# KiCad board lb_mp1.kicad_pcb (continued)
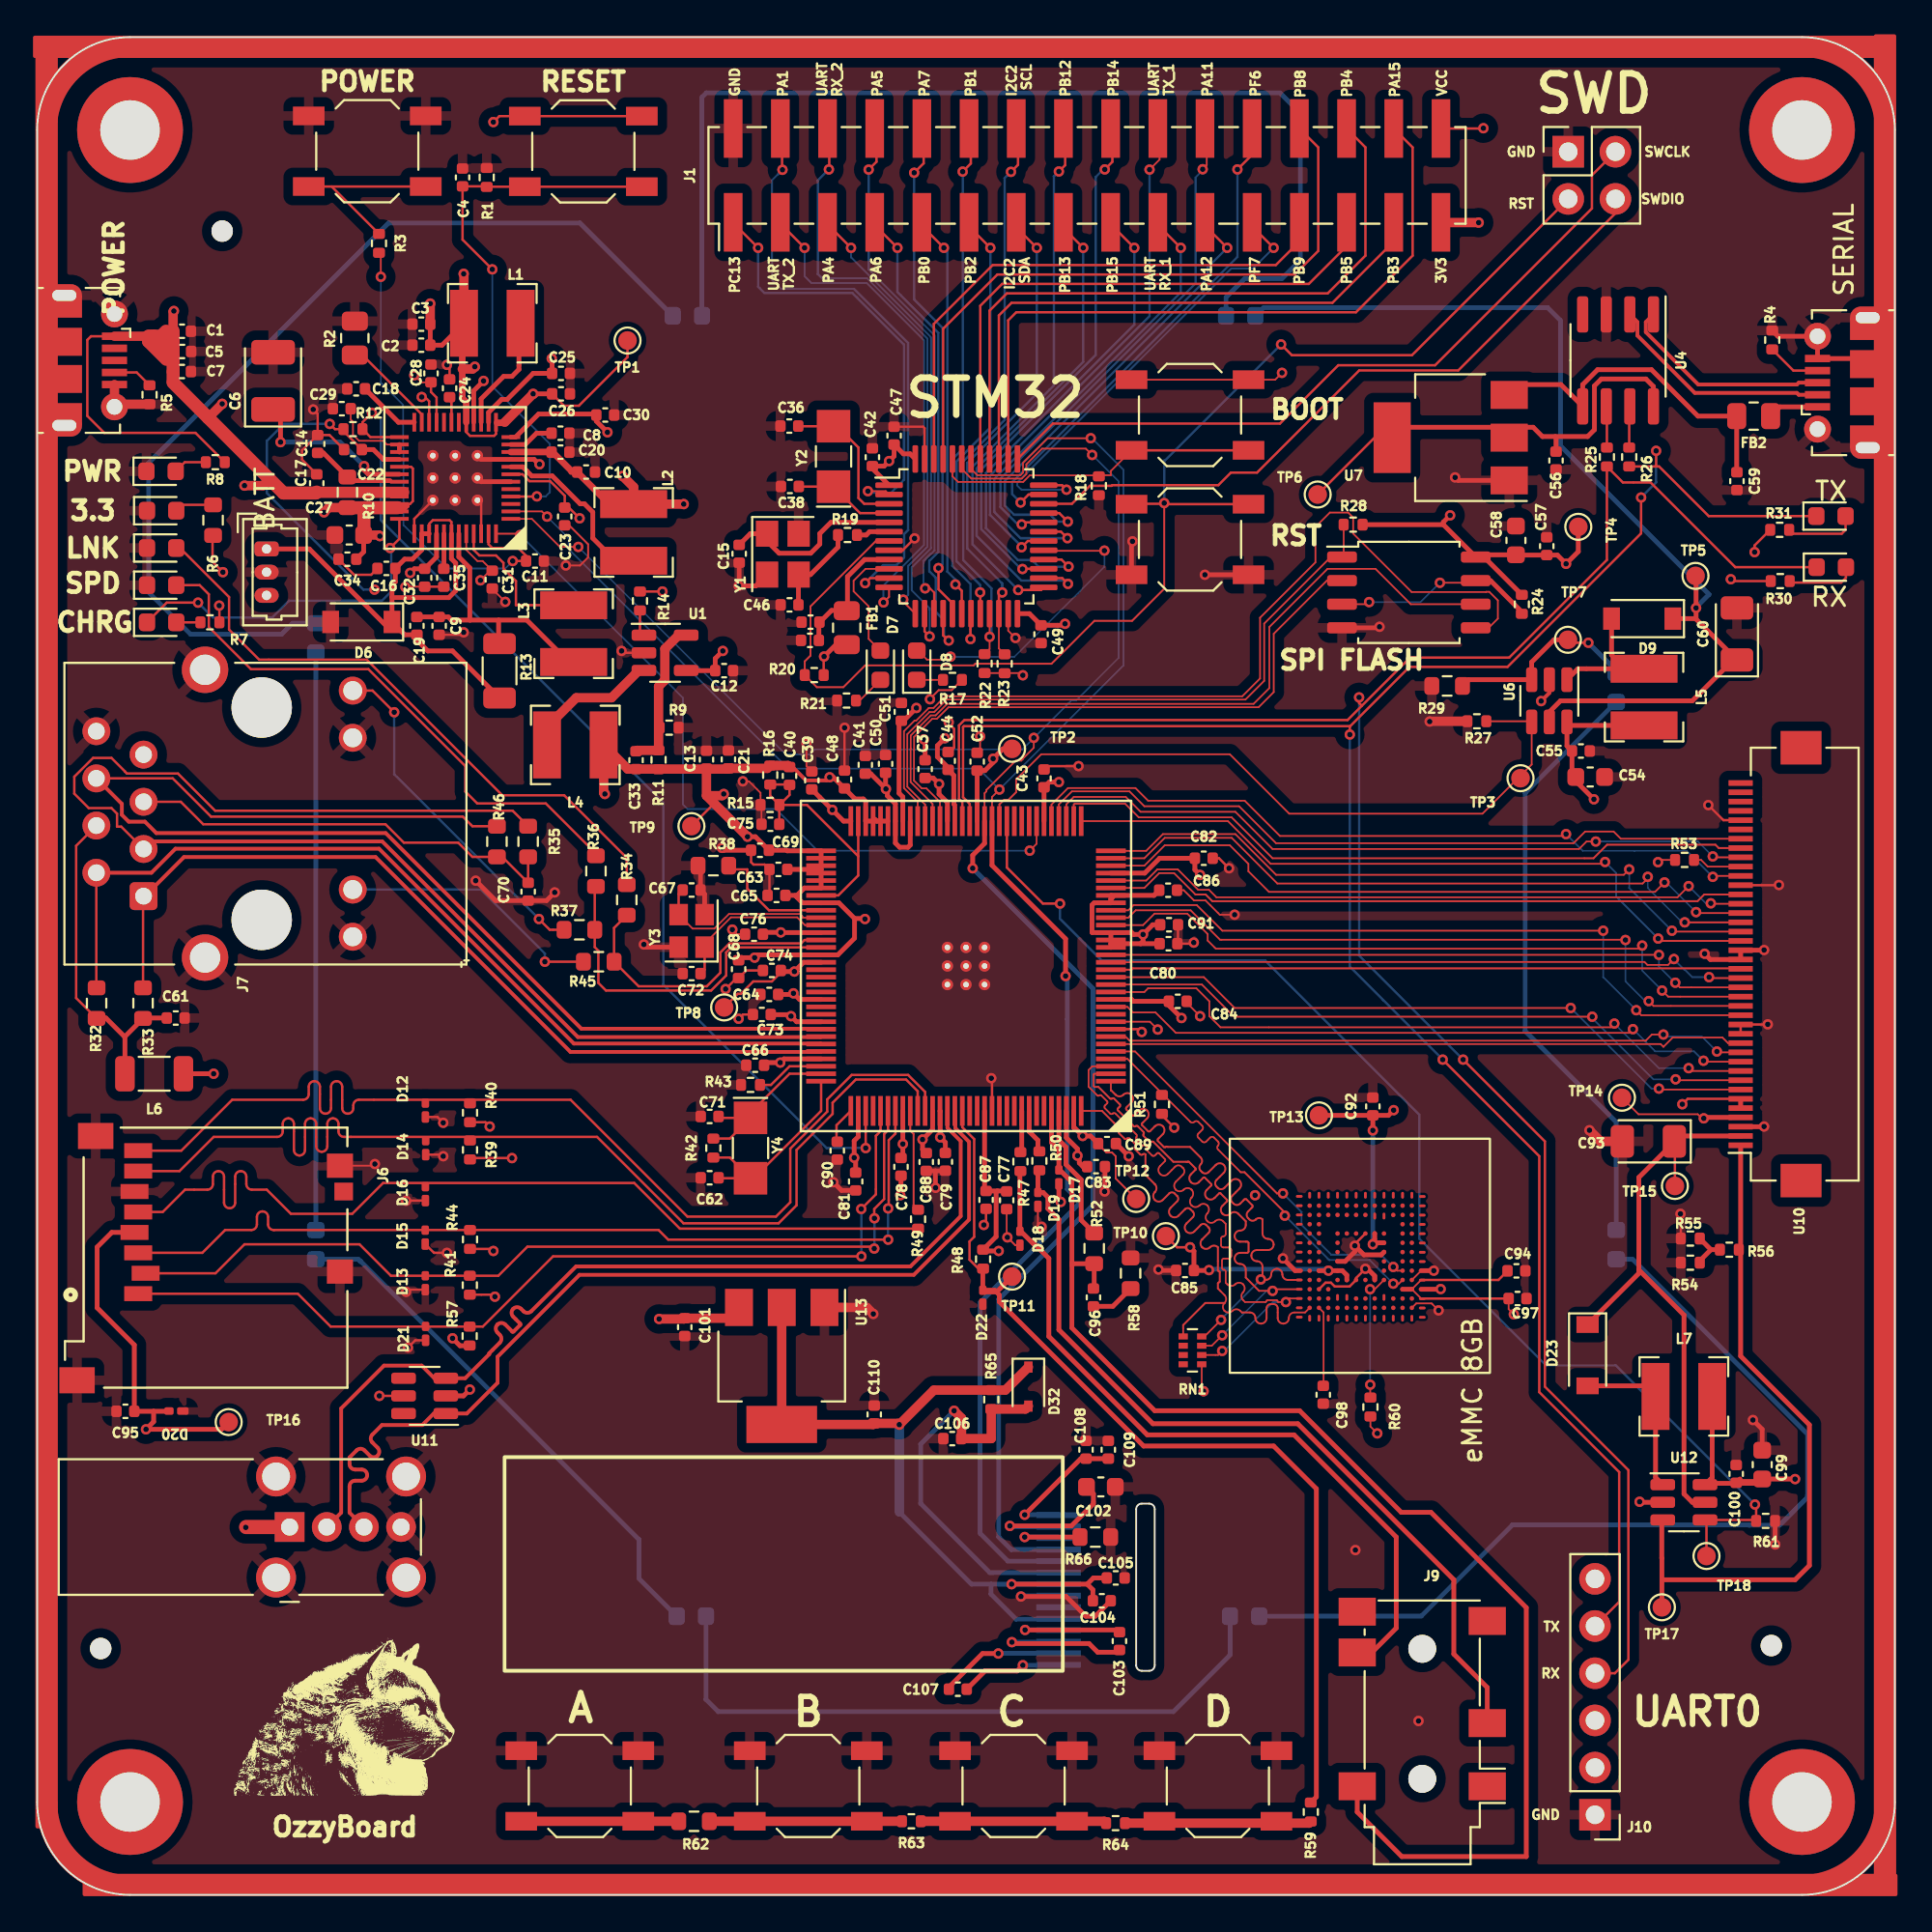
[diagram p0: board, top side]
## Footprints (pads in the part's own frame, mm; a bottom-side part is the same pattern mirrored in y, then rotated)
AXP209-QFN48
  rect 1x0.2 smd: 1(-3,2.2) 2(-3,1.8) 3(-3,1.4) 4(-3,1) 5(-3,0.6) 6(-3,0.2) 7(-3,-0.2) 8(-3,-0.6) 9(-3,-1) 10(-3,-1.4) 11(-3,-1.8) 12(-3,-2.2) 25(3,-2.2) 26(3,-1.8) 27(3,-1.4) 28(3,-1) 29(3,-0.6) 30(3,-0.2) 31(3,0.2) 32(3,0.6) 33(3,1) 34(3,1.4) 35(3,1.8) 36(3,2.2)
  rect 0.2x1 smd: 13(-2.2,-3) 14(-1.8,-3) 15(-1.4,-3) 16(-1,-3) 17(-0.6,-3) 18(-0.2,-3) 19(0.2,-3) 20(0.6,-3) 21(1,-3) 22(1.4,-3) 23(1.8,-3) 24(2.2,-3) 37(2.2,3) 38(1.8,3) 39(1.4,3) 40(1,3) 41(0.6,3) 42(0.2,3) 43(-0.2,3) 44(-0.6,3) 45(-1,3) 46(-1.4,3) 47(-1.8,3) 48(-2.2,3)
  round 0.61 hole 0.305: GND$1(-1.2,1.2) GND$2(0,1.2) GND$3(1.2,1.2) GND$4(-1.2,0) GND$5(0,0) GND$6(1.2,0) GND$7(-1.2,-1.2) GND$8(0,-1.2) GND$9(1.2,-1.2)
C_0402_1005Metric
  rrect 0.56x0.62 smd: 1(-0.48,0) 2(0.48,0)
C_0603_1608Metric
  rrect 0.9x0.95 smd: 1(-0.775,0) 2(0.775,0)
CP_EIA-3528-21_Kemet-B
  rrect 1.325x2.35 smd: 1(-1.538,0) 2(1.538,0)
Crystal_SMD_2520-4Pin_2.5x2.0mm
  rect 1.15x1 smd: 1(-0.875,-0.7) 2(0.875,-0.7) 3(0.875,0.7) 4(-0.875,0.7)
Crystal_SMD_3225-4Pin_3.2x2.5mm
  rect 1.4x1.2 smd: 1(-1.1,-0.85) 2(1.1,-0.85) 3(1.1,0.85) 4(-1.1,0.85)
Crystal_SMD_MicroCrystal_CC7V-T1A-2Pin_3.2x1.5mm_HandSoldering
  rect 1.75x1.8 smd: 1(-1.625,0) 2(1.625,0)
D_SOD-123
  rect 0.9x1.2 smd: 1(-1.65,0) 2(1.65,0)
D_SOD-323
  rect 0.6x0.45 smd: 1(-1.05,0) 2(1.05,0)
EMMC_JLCP
  oval 0.15x0.36 smd: A1(-3.3,3.26) A2(-2.8,3.26) A3(-2.3,3.26) A4(-1.8,3.26) A5(-1.3,3.26) A6(-0.8,3.26) A7(-0.3,3.26) A8(0.2,3.26) A9(0.7,3.26) A10(1.2,3.26) A11(1.7,3.26) A12(2.2,3.26) A13(2.7,3.26) A14(3.2,3.26) P1(-3.31,-3.36) P2(-2.81,-3.36) P3(-2.31,-3.36) P4(-1.81,-3.36) P5(-1.31,-3.36) P6(-0.81,-3.36) P7(-0.31,-3.36) P8(0.19,-3.36) P9(0.69,-3.36) P10(1.19,-3.36) P11(1.69,-3.36) P12(2.19,-3.36) P13(2.69,-3.36) P14(3.19,-3.36)
  oval 0.36x0.15 smd: B1(-3.36,2.7) B14(3.26,2.7) C1(-3.36,2.2) C14(3.26,2.2) D1(-3.36,1.7) D14(3.26,1.7) E1(-3.36,1.2) E3(-2.24,1.2) E14(3.26,1.2) F1(-3.36,0.7) F3(-2.24,0.7) F14(3.26,0.7) G1(-3.36,0.2) G14(3.26,0.2) H1(-3.36,-0.3) H14(3.26,-0.3) J1(-3.36,-0.8) J12(2.14,-0.8) J14(3.26,-0.8) K1(-3.36,-1.3) K3(-2.24,-1.3) K12(2.14,-1.3) K14(3.26,-1.3) L1(-3.36,-1.8) L14(3.26,-1.8) M1(-3.36,-2.3) M14(3.26,-2.3) N1(-3.36,-2.8) N14(3.26,-2.8)
  round 0.24 smd: B2(-2.8,2.7) B3(-2.3,2.7) B4(-1.8,2.7) B5(-1.3,2.7) B6(-0.8,2.7) B7(-0.3,2.7) B8(0.2,2.7) B9(0.7,2.7) B10(1.2,2.7) B11(1.7,2.7) B12(2.2,2.7) B13(2.7,2.7) C2(-2.8,2.2) C3(-2.3,2.2) C4(-1.8,2.2) C5(-1.3,2.2) C6(-0.8,2.2) C7(-0.3,2.2) C8(0.2,2.2) C9(0.7,2.2) C10(1.2,2.2) C11(1.7,2.2) C12(2.2,2.2) C13(2.7,2.2) D2(-2.8,1.7) D3(-2.3,1.7) D4(-1.8,1.7) D12(2.2,1.7) D13(2.7,1.7) E2(-2.8,1.2) E5(-1.3,1.2) E6(-0.8,1.2) E7(-0.3,1.2) E8(0.2,1.2) E9(0.7,1.2) E10(1.2,1.2) E12(2.2,1.2) E13(2.7,1.2) F2(-2.8,0.7) F5(-1.3,0.7) F10(1.2,0.7) F12(2.2,0.7) F13(2.7,0.7) G2(-2.8,0.2) G3(-2.3,0.2) G5(-1.3,0.2) G10(1.2,0.2) G12(2.2,0.2) G13(2.7,0.2) H2(-2.8,-0.3) H3(-2.3,-0.3) H5(-1.3,-0.3) H10(1.2,-0.3) H12(2.2,-0.3) H13(2.7,-0.3) J2(-2.8,-0.8) J3(-2.3,-0.8) J5(-1.3,-0.8) J10(1.2,-0.8) J13(2.7,-0.8) K2(-2.8,-1.3) K5(-1.3,-1.3) K6(-0.8,-1.3) K7(-0.3,-1.3) K8(0.2,-1.3) K9(0.7,-1.3) K10(1.2,-1.3) K13(2.7,-1.3) L2(-2.8,-1.8) L3(-2.3,-1.8) L12(2.2,-1.8) L13(2.7,-1.8) M2(-2.8,-2.3) M3(-2.3,-2.3) M4(-1.8,-2.3) M5(-1.3,-2.3) M6(-0.8,-2.3) M7(-0.3,-2.3) M8(0.2,-2.3) M9(0.7,-2.3) M10(1.2,-2.3) M11(1.7,-2.3) M12(2.2,-2.3) M13(2.7,-2.3) N2(-2.8,-2.8) N3(-2.3,-2.8) N4(-1.8,-2.8) N5(-1.3,-2.8) N6(-0.8,-2.8) N7(-0.3,-2.8) N8(0.2,-2.8) N9(0.7,-2.8) N10(1.2,-2.8) N11(1.7,-2.8) N12(2.2,-2.8) N13(2.7,-2.8)
ESD5451X-2
  rrect 0.5x0.4 smd: 1(0.42,0)
  rrect 0.617x0.4 smd: 2(-0.329,0)
Hirose_FH12-40S-0.5SH_1x40-1MP_P0.50mm_Horizontal
  rect 0.3x1.3 smd: 1(-9.75,1.85) 2(-9.25,1.85) 3(-8.75,1.85) 4(-8.25,1.85) 5(-7.75,1.85) 6(-7.25,1.85) 7(-6.75,1.85) 8(-6.25,1.85) 9(-5.75,1.85) 10(-5.25,1.85) 11(-4.75,1.85) 12(-4.25,1.85) 13(-3.75,1.85) 14(-3.25,1.85) 15(-2.75,1.85) 16(-2.25,1.85) 17(-1.75,1.85) 18(-1.25,1.85) 19(-0.75,1.85) 20(-0.25,1.85) 21(0.25,1.85) 22(0.75,1.85) 23(1.25,1.85) 24(1.75,1.85) 25(2.25,1.85) 26(2.75,1.85) 27(3.25,1.85) 28(3.75,1.85) 29(4.25,1.85) 30(4.75,1.85) 31(5.25,1.85) 32(5.75,1.85) 33(6.25,1.85) 34(6.75,1.85) 35(7.25,1.85) 36(7.75,1.85) 37(8.25,1.85) 38(8.75,1.85) 39(9.25,1.85) 40(9.75,1.85)
  rect 1.8x2.2 smd: MP(-11.65,-1.4) MP(11.65,-1.4)
Jack_3.5mm_PJ311_Horizontal
  round 1.5 hole 1.5 unplated: (0,4.3) (0,-2.7)
  rect 2x1.5 smd: 1(-3.5,4.7) 2(3.5,4.7) 3(-3.5,1.3) 4(3.5,-2.5) 5(3.5,-4.7) 6(-3.5,-4.2)
L_1206_3216Metric
  rrect 1.05x1.9 smd: 1(-1.575,0) 2(1.575,0)
L_Bourns-SRN4018
  rect 1.5x3.6 smd: 1(-1.525,0) 2(1.525,0)
LED_0603_1608Metric
  rrect 0.875x0.95 smd: 1(-0.787,0) 2(0.787,0)
LED_1206_3216Metric
  rrect 1.25x1.75 smd: 1(-1.4,0) 2(1.4,0)
LQFP-48_7x7mm_P0.5mm
  rrect 1.475x0.3 smd: 1(-4.162,2.75) 2(-4.162,2.25) 3(-4.162,1.75) 4(-4.162,1.25) 5(-4.162,0.75) 6(-4.162,0.25) 7(-4.162,-0.25) 8(-4.162,-0.75) 9(-4.162,-1.25) 10(-4.162,-1.75) 11(-4.162,-2.25) 12(-4.162,-2.75) 25(4.162,-2.75) 26(4.162,-2.25) 27(4.162,-1.75) 28(4.162,-1.25) 29(4.162,-0.75) 30(4.162,-0.25) 31(4.162,0.25) 32(4.162,0.75) 33(4.162,1.25) 34(4.162,1.75) 35(4.162,2.25) 36(4.162,2.75)
  rrect 0.3x1.475 smd: 13(-2.75,-4.162) 14(-2.25,-4.162) 15(-1.75,-4.162) 16(-1.25,-4.162) 17(-0.75,-4.162) 18(-0.25,-4.162) 19(0.25,-4.162) 20(0.75,-4.162) 21(1.25,-4.162) 22(1.75,-4.162) 23(2.25,-4.162) 24(2.75,-4.162) 37(2.75,4.162) 38(2.25,4.162) 39(1.75,4.162) 40(1.25,4.162) 41(0.75,4.162) 42(0.25,4.162) 43(-0.25,4.162) 44(-0.75,4.162) 45(-1.25,4.162) 46(-1.75,4.162) 47(-2.25,4.162) 48(-2.75,4.162)
MOLEX_47352-1001
  rect 0.8x1.5 smd: 1(1.94,-3.66) 2(0.84,-3.26) 3(-0.26,-3.66) 4(-1.36,-3.86) 5(-2.46,-3.66) 6(-3.56,-3.86) 7(-4.66,-3.66) 8(-5.76,-3.66)
  rect 1.3x1.4 smd: S1(-4.95,7.2) S2(0.75,7.2)
  rect 1.4x1.9 smd: S3(-6.55,-5.95) S4(6.6,-6.95)
  rect 0.95x1 smd: SW(-3.56,7.4)
Molex_PicoBlade_53047-0310_1x03_P1.25mm_Vertical
  rrect 0.8x1.3 hole 0.5: 1(0,0)
  oval 0.8x1.3 hole 0.5: 2(1.25,0) 3(2.5,0)
MountingHole_2.1mm
  round 1.152 hole 1.152 unplated: (0,0)
MountingHole_3.2mm_M3_ISO7380_Pad
  round 5.7 hole 3.2: 1(0,0)
PinHeader_1x06_P2.54mm_Vertical
  rect 1.7x1.7 hole 1: 1(0,0)
  oval 1.7x1.7 hole 1: 2(0,-2.54) 3(0,-5.08) 4(0,-7.62) 5(0,-10.16) 6(0,-12.7)
PinHeader_2x02_P2.54mm_Vertical
  rect 1.7x1.7 hole 1: 1(0,0)
  oval 1.7x1.7 hole 1: 2(2.54,0) 3(0,-2.54) 4(2.54,-2.54)
PinHeader_2x16_P2.54mm_Vertical_SMD
  rect 3.15x1 smd: 1(-2.525,19.05) 2(2.525,19.05) 3(-2.525,16.51) 4(2.525,16.51) 5(-2.525,13.97) 6(2.525,13.97) 7(-2.525,11.43) 8(2.525,11.43) 9(-2.525,8.89) 10(2.525,8.89) 11(-2.525,6.35) 12(2.525,6.35) 13(-2.525,3.81) 14(2.525,3.81) 15(-2.525,1.27) 16(2.525,1.27) 17(-2.525,-1.27) 18(2.525,-1.27) 19(-2.525,-3.81) 20(2.525,-3.81) 21(-2.525,-6.35) 22(2.525,-6.35) 23(-2.525,-8.89) 24(2.525,-8.89) 25(-2.525,-11.43) 26(2.525,-11.43) 27(-2.525,-13.97) 28(2.525,-13.97) 29(-2.525,-16.51) 30(2.525,-16.51) 31(-2.525,-19.05) 32(2.525,-19.05)
R_0402_1005Metric
  rrect 0.54x0.64 smd: 1(-0.51,0) 2(0.51,0)
R_0603_1608Metric
  rrect 0.8x0.95 smd: 1(-0.825,0) 2(0.825,0)
R_0805_2012Metric
  rrect 1.025x1.4 smd: 1(-0.912,0) 2(0.912,0)
R_1206_3216Metric
  rrect 1.125x1.75 smd: 1(-1.462,0) 2(1.462,0)
R_Array_Concave_4x0402
  rect 0.5x0.32 smd: 1(-0.5,0.75) 2(-0.5,0.25) 3(-0.5,-0.25) 4(-0.5,-0.75) 5(0.5,-0.75) 6(0.5,-0.25) 7(0.5,0.25) 8(0.5,0.75)
RJ45_Hanrun_HR911105A
  round 3.25 hole 3.25 unplated: (-1.275,-6.36) (10.155,-6.36)
  rrect 1.5x1.5 hole 0.9: 1(0,0)
  round 1.5 hole 0.9: 2(1.26,2.54) 3(2.54,0) 4(3.8,2.54) 5(5.08,0) 6(6.34,2.54) 7(7.62,0) 8(8.88,2.54)
  round 1.5 hole 1.02: 9(-2.185,-11.26) 10(0.355,-11.26) 11(8.525,-11.26) 12(11.065,-11.26)
  round 2.5 hole 1.63: SH(-3.305,-3.31) SH(12.185,-3.31)
SOIC-8_3.9x4.9mm_P1.27mm
  rrect 1.95x0.6 smd: 1(-2.475,1.905) 2(-2.475,0.635) 3(-2.475,-0.635) 4(-2.475,-1.905) 5(2.475,-1.905) 6(2.475,-0.635) 7(2.475,0.635) 8(2.475,1.905)
SOIC-8_5.23x5.23mm_P1.27mm
  rrect 1.6x0.6 smd: 1(-3.6,1.905) 2(-3.6,0.635) 3(-3.6,-0.635) 4(-3.6,-1.905) 5(3.6,-1.905) 6(3.6,-0.635) 7(3.6,0.635) 8(3.6,1.905)
SOT-23-5
  rrect 1.325x0.6 smd: 1(-1.137,0.95) 2(-1.137,0) 3(-1.137,-0.95) 4(1.137,-0.95) 5(1.137,0.95)
SOT-23-6
  rrect 1.325x0.6 smd: 1(-1.137,0.95) 2(-1.137,0) 3(-1.137,-0.95) 4(1.137,-0.95) 5(1.137,0) 6(1.137,0.95)
SOT-223-3_TabPin2
  rect 2x1.5 smd: 1(-3.15,2.3) 2(-3.15,0) 3(-3.15,-2.3)
  rect 2x3.8 smd: 2(3.15,0)
ssd1306_14
  rect 0.32x2.4 smd: 1(-3.69,3.1) 2(-3.07,3.1) 3(-2.45,3.1) 4(-1.83,3.1) 5(-1.21,3.1) 6(-0.59,3.1) 7(0.03,3.1) 8(0.65,3.1) 9(1.27,3.1) 10(1.89,3.1) 11(2.51,3.1) 12(3.13,3.1) 13(3.75,3.1) 14(4.37,3.1)
SW_SPST_TL3342
  rect 1.7x1 smd: 1(-3.15,1.9) 1(3.15,1.9) 2(-3.15,-1.9) 2(3.15,-1.9)
TestPoint_Pad_D1.0mm
  round 1 smd: 1(0,0)
unnamed
  round 1.152 hole 1.152 unplated: (0,0)
USB_A_Wuerth_614004134726_Horizontal
  rect 1.6x1.6 hole 0.92: 1(0,0)
  round 1.6 hole 0.92: 2(2,0) 3(4,0) 4(6,0)
  round 2.15 hole 1.5: 5(-0.73,2.72) 5(-0.73,-2.72) 5(6.27,2.72) 5(6.27,-2.72)
USB_Micro-B_Molex-105017-0001
  rect 0.4x1.35 smd: 1(-1.3,1.462) 2(-0.65,1.462) 3(0,1.462) 4(0.65,1.462) 5(1.3,1.462)
  oval 1.2x1.9 hole 0.6x1.3: 6(-3.5,-1.238) 6(3.5,-1.238)
  rect 1.2x1.9 smd: 6(-2.9,-1.238) 6(2.9,-1.238)
  round 1.45 hole 0.85: 6(-2.5,1.462) 6(2.5,1.462)
  rect 1.5x1.9 smd: 6(-1,-1.238) 6(1,-1.238)
V3s-ELQFP-128
  rect 1.6x0.247 smd: 1(-7.8,6.2) 2(-7.8,5.8) 3(-7.8,5.4) 4(-7.8,5) 5(-7.8,4.6) 6(-7.8,4.2) 7(-7.8,3.8) 8(-7.8,3.4) 9(-7.8,3) 10(-7.8,2.6) 11(-7.8,2.2) 12(-7.8,1.8) 13(-7.8,1.4) 14(-7.8,1) 15(-7.8,0.6) 16(-7.8,0.2) 17(-7.8,-0.2) 18(-7.8,-0.6) 19(-7.8,-1) 20(-7.8,-1.4) 21(-7.8,-1.8) 22(-7.8,-2.2) 23(-7.8,-2.6) 24(-7.8,-3) 25(-7.8,-3.4) 26(-7.8,-3.8) 27(-7.8,-4.2) 28(-7.8,-4.6) 29(-7.8,-5) 30(-7.8,-5.4) 31(-7.8,-5.8) 32(-7.8,-6.2) 65(7.8,-6.2) 66(7.8,-5.8) 67(7.8,-5.4) 68(7.8,-5) 69(7.8,-4.6) 70(7.8,-4.2) 71(7.8,-3.8) 72(7.8,-3.4) 73(7.8,-3) 74(7.8,-2.6) 75(7.8,-2.2) 76(7.8,-1.8) 77(7.8,-1.4) 78(7.8,-1) 79(7.8,-0.6) 80(7.8,-0.2) 81(7.8,0.2) 82(7.8,0.6) 83(7.8,1) 84(7.8,1.4) 85(7.8,1.8) 86(7.8,2.2) 87(7.8,2.6) 88(7.8,3) 89(7.8,3.4) 90(7.8,3.8) 91(7.8,4.2) 92(7.8,4.6) 93(7.8,5) 94(7.8,5.4) 95(7.8,5.8) 96(7.8,6.2)
  rect 0.247x1.6 smd: 33(-6.2,-7.8) 34(-5.8,-7.8) 35(-5.4,-7.8) 36(-5,-7.8) 37(-4.6,-7.8) 38(-4.2,-7.8) 39(-3.8,-7.8) 40(-3.4,-7.8) 41(-3,-7.8) 42(-2.6,-7.8) 43(-2.2,-7.8) 44(-1.8,-7.8) 45(-1.4,-7.8) 46(-1,-7.8) 47(-0.6,-7.8) 48(-0.2,-7.8) 49(0.2,-7.8) 50(0.6,-7.8) 51(1,-7.8) 52(1.4,-7.8) 53(1.8,-7.8) 54(2.2,-7.8) 55(2.6,-7.8) 56(3,-7.8) 57(3.4,-7.8) 58(3.8,-7.8) 59(4.2,-7.8) 60(4.6,-7.8) 61(5,-7.8) 62(5.4,-7.8) 63(5.8,-7.8) 64(6.2,-7.8) 97(6.2,7.8) 98(5.8,7.8) 99(5.4,7.8) 100(5,7.8) 101(4.6,7.8) 102(4.2,7.8) 103(3.8,7.8) 104(3.4,7.8) 105(3,7.8) 106(2.6,7.8) 107(2.2,7.8) 108(1.8,7.8) 109(1.4,7.8) 110(1,7.8) 111(0.6,7.8) 112(0.2,7.8) 113(-0.2,7.8) 114(-0.6,7.8) 115(-1,7.8) 116(-1.4,7.8) 117(-1.8,7.8) 118(-2.2,7.8) 119(-2.6,7.8) 120(-3,7.8) 121(-3.4,7.8) 122(-3.8,7.8) 123(-4.2,7.8) 124(-4.6,7.8) 125(-5,7.8) 126(-5.4,7.8) 127(-5.8,7.8) 128(-6.2,7.8)
  round 0.61 hole 0.305: GND$1(-1,1) GND$2(0,1) GND$3(1,1) GND$4(-1,0) GND$5(0,0) GND$6(1,0) GND$7(-1,-1) GND$8(0,-1) GND$9(1,-1)

## Nets
+1V2: C10.1 C20.1 C37.1 C39.1 C41.1 C43.1 C50.1 C52.1 C73.1 C74.1 C80.1 C83.1 C86.1 C88.1 C91.1 L2.1 TP2.1 TP8.1 U2.10 U8.19 U8.20 U8.21 U8.25 U8.26 U8.38 U8.47 U8.51 U8.56 U8.58 U8.64 U8.80 U8.88 U8.108 U8.126
+1V8: C13.1 C21.1 C33.1 C40.1 C48.1 C63.1 C65.1 C68.1 C69.1 L4.2 R11.1 R16.1 TP9.1 U8.59 U8.60 U8.61 U8.62 U8.65 U8.66 U8.67 U8.68 U8.69 U8.70 U8.72 U8.79
+3.3V: C2.1 C3.1 C26.1 C35.1 C42.2 C44.1 C47.2 C49.2 C51.1 C57.1 C58.1 C64.1 C66.1 C78.1 C79.1 C82.1 C84.1 C85.1 C89.1 C92.1 C94.1 C95.1 C97.1 D20.1 FB1.2 J1.31 J6.4 L1.1 L6.1 R6.2 R20.2 R22.2 R23.2 R24.1 R28.1 R30.1 R31.1 R39.1 R40.1 R41.1 R44.1 R51.1 R53.1 R57.1 R60.1 RN1.1 SW4.2 TP1.1 TP4.1 TP10.1 TP12.1 TP13.1 TP14.1 TP16.1 U2.13 U2.17 U2.40 U3.1 U3.24 U3.48 U5.8 U8.12 U8.29 U8.50 U8.57 U8.85 U8.93 U8.104 U8.109 U8.127 U9.C6 U9.E6 U9.F5 U9.J10 U9.K9 U9.M4 U9.N4 U9.P3 U9.P5 U10.4
+3.3VA: C45.2 C53.2 FB1.1 U3.9
+3V0: C30.2 C76.1 C77.1 C87.1 R14.1 R48.1 U2.12 U8.76 U8.115
GND: C1.2 C2.2 C3.2 C4.1 C5.2 C6.2 C7.2 C8.2 C9.2 C10.2 C11.1 C12.2 C13.2 C14.2 C15.2 C16.2 C17.1 C18.1 C20.2 C21.2 C22.1 C23.2 C24.1 C25.2 C26.2 C27.2 C28.2 C29.2 C30.1 C31.2 C32.1 C34.2 C35.2 C36.2 C37.2 C38.2 C39.2 C41.2 C42.1 C43.2 C44.2 C45.1 C46.2 C47.1 C48.2 C49.1 C50.2 C51.2 C52.2 C53.1 C54.2 C55.2 C56.2 C57.2 C58.2 C59.2 C60.2 C61.2 C62.2 C63.2 C64.2 C65.2 C66.2 C67.2 C68.2 C69.2 C70.2 C71.2 C72.2 C73.2 C74.2 C75.2 C76.2 C77.2 C78.2 C79.2 C80.2 C81.2 C82.2 C83.2 C84.2 C85.2 C86.2 C87.2 C88.2 C89.2 C90.1 C91.2 C92.2 C93.2 C94.2 C95.2 C97.2 C98.2 C99.2 C100.2 C101.2 C102.1 C104.2 C105.2 C106.1 C108.2 C109.1 C110.1 D2.1 D3.1 D4.1 D5.1 D6.2 D12.2 D13.2 D14.2 D15.2 D16.2 D17.2 D18.2 D19.2 D20.2 D21.2 D22.2 J1.2 J2.1 J3.2 J4.5 J4.6 J5.5 J5.6 J6.6 J6.S1 J6.S2 J6.S3 J6.S4 J7.8 J7.9 J7.11 J7.SH J8.4 J8.5 J10.1 R1.1 R2.1 R4.2 R5.2 R9.2 R15.2 R17.2 R18.1 R21.2 R27.2 R29.2 R38.1 R43.2 R54.2 R55.2 R58.1 R61.2 R66.1 SW2.2 SW3.2 SW5.2 SW6.2 SW7.2 SW8.2 U1.2 U2.6 U2.9 U2.16 U2.22 U2.37 U2.46 U2.GND$1 U2.GND$2 U2.GND$3 U2.GND$4 U2.GND$5 U2.GND$6 U2.GND$7 U2.GND$8 U2.GND$9 U3.8 U3.23 U3.47 U4.3 U5.4 U6.2 U7.1 U8.116 U8.GND$1 U8.GND$2 U8.GND$3 U8.GND$4 U8.GND$5 U8.GND$6 U8.GND$7 U8.GND$8 U8.GND$9 U9.A6 U9.C4 U9.E7 U9.G5 U9.H10 U9.J5 U9.K8 U9.N2 U9.N5 U9.P4 U9.P6 U10.3 U10.5 U10.6 U10.13 U10.14 U10.21 U10.22 U10.29 U10.36 U11.2 U12.2 U13.1 U14.7 Y1.2 Y1.4 Y3.2 Y3.4
VCC: C12.1 C23.1 C25.1 C27.1 C28.1 C31.1 C34.1 C54.1 C55.1 C99.1 C100.1 C101.1 J1.32 J8.1 L5.1 L7.1 R7.1 R10.1 SW1.2 U1.4 U2.7 U2.14 U2.21 U2.29 U2.34 U2.35 U2.44 U6.6 U11.5 U12.6 U13.3
VDD: C22.2 C81.1 R12.2 U2.28 U8.98
+BATT: C16.1 C19.1 D6.1 J3.1 R13.2 U2.38 U2.39 U2.42
+VDC: C1.1 C5.1 C7.1 C17.2 J4.1 R8.1 U2.32 U2.33
/Connections/EPHY-RXN: J7.6 R46.1 U8.89
/Connections/EPHY-RXP: J7.3 R35.1 U8.90
/Connections/EPHY-TXN: J7.2 R32.2 U8.91
/Connections/EPHY-TXP: J7.1 R33.2 U8.92
/Connections/UD+: J5.3 U4.1
/Connections/UD-: J5.2 U4.2
/Connections/USB-D+: J8.3 U8.111 U11.1
/Connections/USB-D-: J8.2 U8.110 U11.3
/STM32/PA1: J1.4 U3.11
/STM32/PA4: J1.5 U3.14
/STM32/PA5: J1.8 U3.15
/STM32/PA6: J1.7 U3.16
/STM32/PA7: J1.10 U3.17
/STM32/PA11: J1.22 U3.32
/STM32/PA12: J1.21 U3.33
/STM32/PA15: J1.30 U3.38
/STM32/PB0: J1.9 U3.18
/STM32/PB1: J1.12 U3.19
/STM32/PB2: J1.11 U3.20
/STM32/PB3: J1.29 U3.39
/STM32/PB4: J1.28 U3.40
/STM32/PB5: J1.27 U3.41
/STM32/PB8: J1.26 U3.45
/STM32/PB9: J1.25 U3.46
/STM32/PB12: J1.16 U3.25
/STM32/PB13: J1.15 U3.26
/STM32/PB14: J1.18 U3.27
/STM32/PB15: J1.17 U3.28
/STM32/PC13: J1.1 U3.2
/STM32/PF6: J1.24 U3.35
/STM32/PF7: J1.23 U3.36
ACT_LED: D7.2 U3.10
I2C2_SCL: J1.14 R22.1 U3.21
I2C2_SDA: J1.13 R23.1 U3.22
LADC: D22.1 R48.2 R59.1 TP11.1 U8.112
LNK_LED: R34.2 R45.2 U8.77
N_Oe: C4.2 R1.2 SW1.1 U2.4
NMI: U2.48 U8.39
NRST: J2.3 R20.1 SW3.1 U3.7
OSC32_IN: C36.1 U3.3 Y2.2
OSC32_OUT: C38.1 U3.4 Y2.1
OSC_IN: C15.1 U3.5 Y1.1
OSC_OUT: R19.2 U3.6
PWM0: R61.1 TP18.1 U8.43 U12.4
PWM1: R27.1 TP3.1 U6.4 U8.44
PWM_CH1: D8.2 U3.29
Pwron: C11.2 R3.2 U2.47
reset: R12.1 U2.25 U8.99
scl: U2.2 U3.42 U8.45 U14.10
sda: U2.1 U3.43 U8.46 U14.11
SPD__LED: R36.2 R37.2 U8.78
SWCLK: J2.2 U3.37
SWDIO: J2.4 U3.34
USART1_RX: J1.19 U3.31 U8.9
USART1_TX: J1.20 U3.30 U8.8
USART2_RX: J1.6 U3.13
USART2_TX: J1.3 U3.12
Net-(C6-Pad1): C6.1 U2.30
Net-(C8-Pad1): C8.1 U2.11
Net-(C14-Pad1): C14.1 R10.2 U2.31
Net-(C18-Pad2): C18.2 U2.24
Net-(C19-Pad2): C9.1 C19.2 L3.2 R13.1 U2.43
Net-(C24-Pad2): C24.2 U2.19
Net-(C29-Pad1): C29.1 U2.26 U2.27
Net-(C32-Pad2): C32.2 U2.41
Net-(C33-Pad2): C33.2 R9.1 R11.2 U1.5
Net-(C40-Pad2): C40.2 C75.1 R15.1 R16.2 U8.63 U8.71
Net-(C46-Pad1): C46.1 R19.1 Y1.3
Net-(C56-Pad1): C56.1 TP6.1 U4.8 U7.2
Net-(C59-Pad1): C59.1 FB2.2 U4.5 U7.3
Net-(C60-Pad1): C60.1 D9.1 D24.2 TP5.1 U6.5
Net-(C61-Pad1): C61.1 J7.4 L6.2 R32.1 R33.1
Net-(C62-Pad1): C62.1 R42.1 U8.96 Y4.2
Net-(C67-Pad1): C67.1 U8.74 Y3.3
Net-(C70-Pad1): C70.1 J7.5 R35.2 R46.2
Net-(C71-Pad1): C71.1 R42.2 U8.95 Y4.1
Net-(C72-Pad1): C72.1 U8.75 Y3.1
Net-(C90-Pad2): C90.2 U8.97
Net-(C93-Pad1): C93.1 D23.1 TP15.1 U10.2 U12.5
Net-(C96-Pad1): C96.1 R58.2
Net-(C96-Pad2): C96.2 D17.1 J9.2 R52.1 U8.124
Net-(C98-Pad1): C98.1 U9.C2
Net-(C102-Pad2): C102.2 U14.13
Net-(C103-Pad1): C103.1 U14.4
Net-(C103-Pad2): C103.2 U14.3
Net-(C104-Pad1): C104.1 C105.1 C110.2 D32.1 R65.1 U13.2 U14.5 U14.8
Net-(C106-Pad2): C106.2 D32.2 R65.2 U14.9
Net-(C107-Pad1): C107.1 U14.2
Net-(C107-Pad2): C107.2 U14.1
Net-(C108-Pad1): C108.1 C109.2 U14.14